# KiCad board sandevistan43_left.kicad_pcb
title: Sandevistan43; date: 2025-06-01; rev: 0.2; company: islathehut; note: Left Side
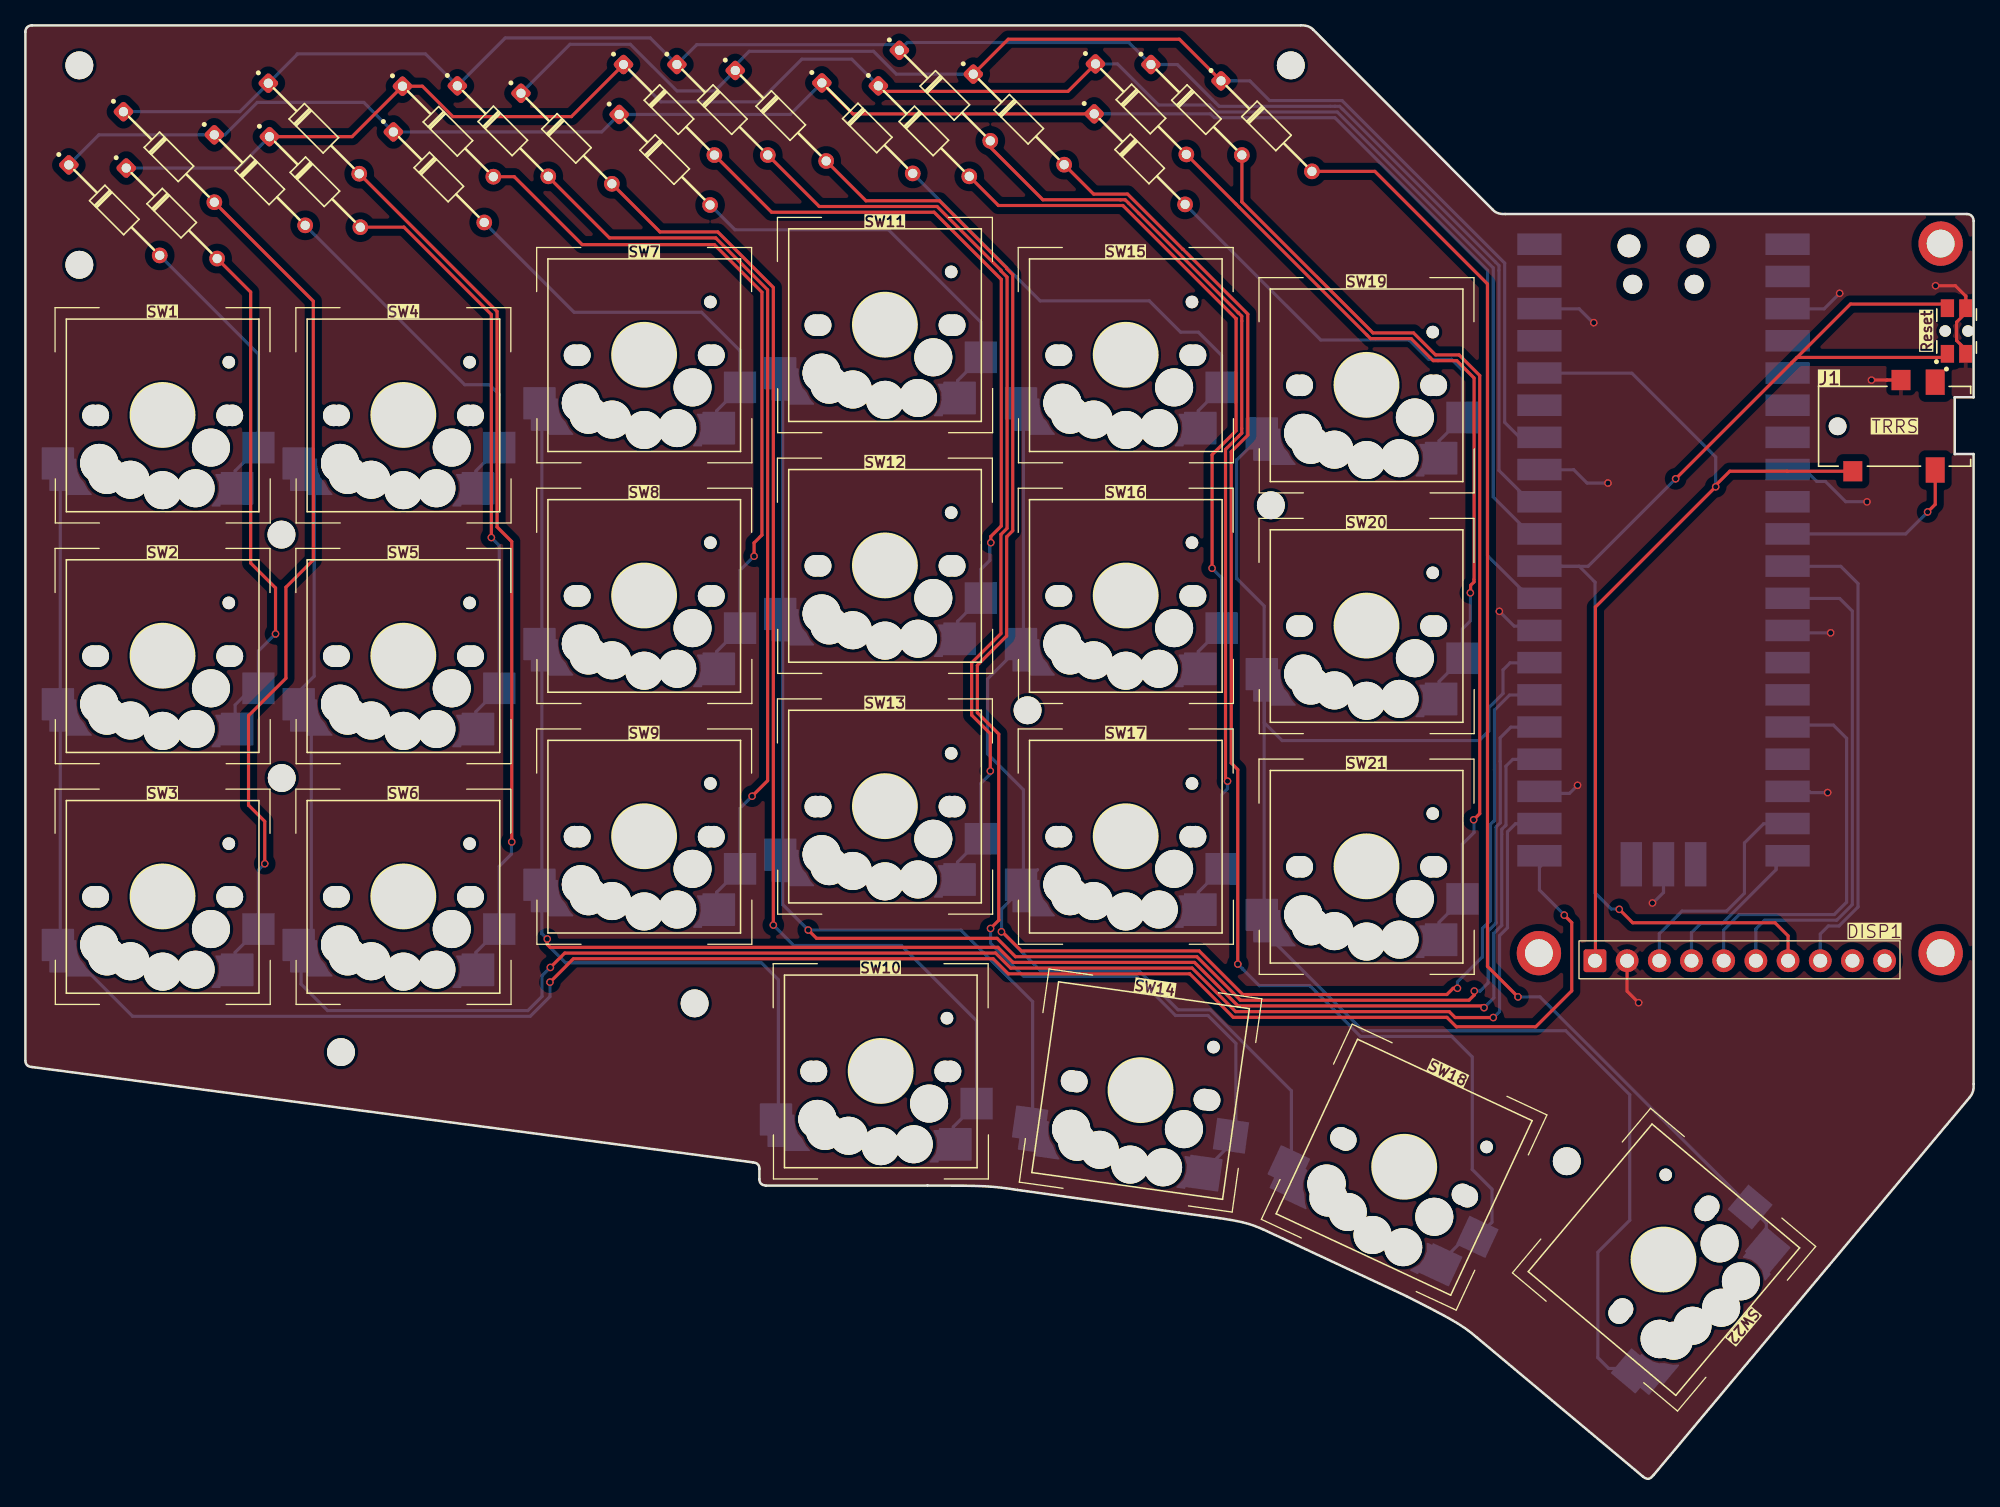
[diagram p0: board, top side]
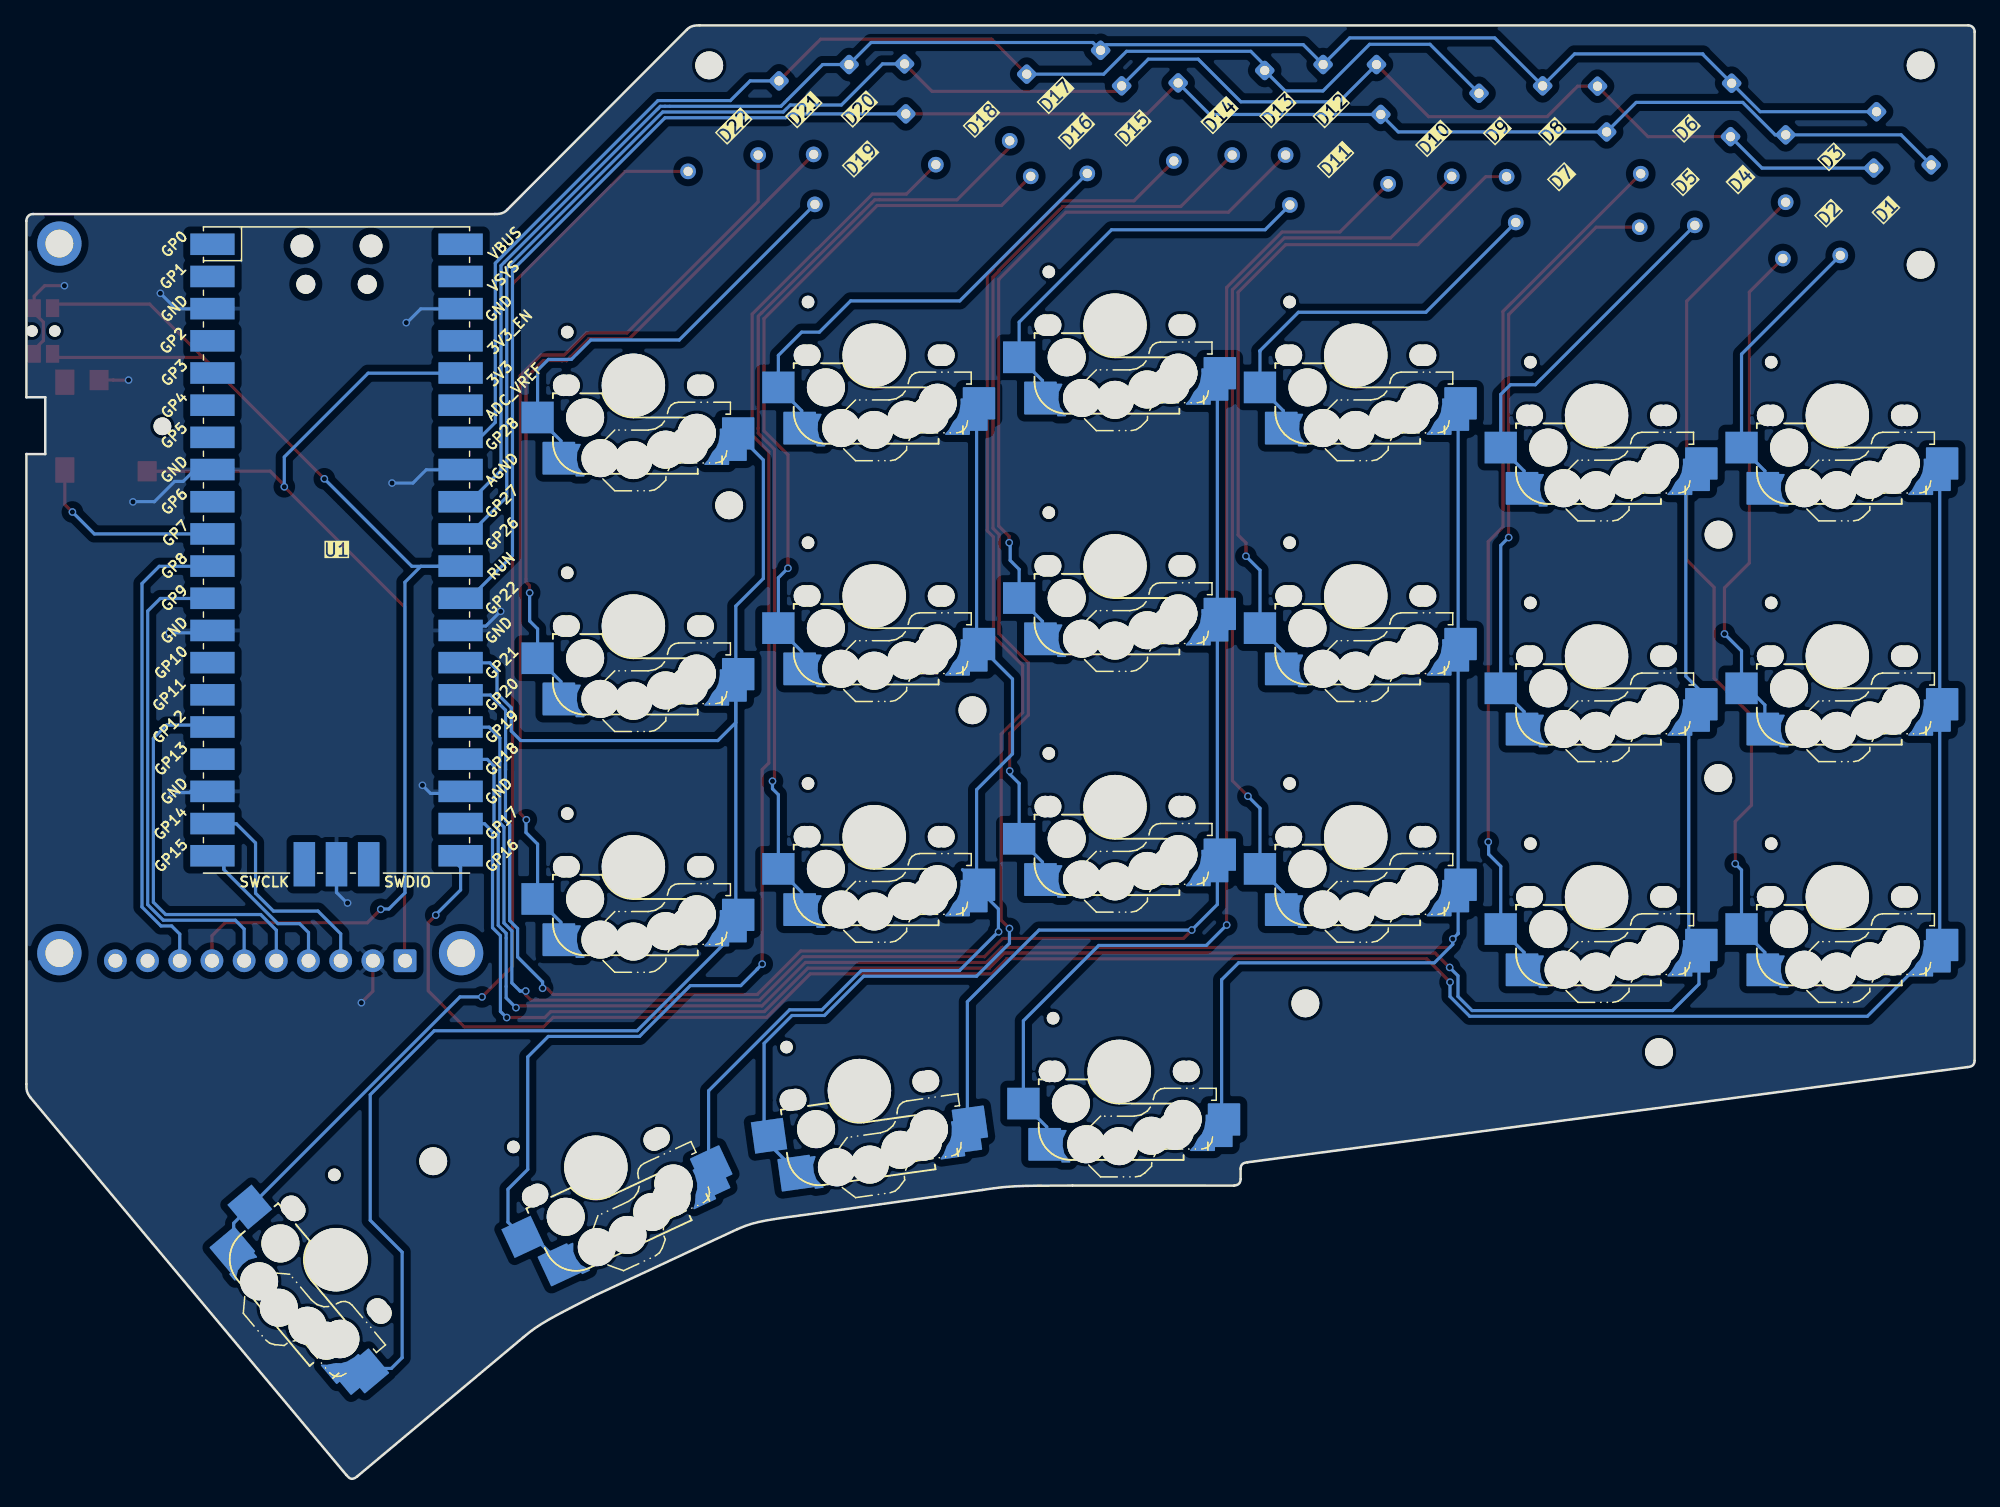
[diagram p1: board, bottom side, seen from below]

Outline 153.74 x 114.94 mm; copper layers: Top, Bottom. Coordinates in mm from the lower left corner of the outline.
Outline path: 0.01,33.23 0.01,114.43 ; 0.5,114.93 100.62,114.93 ; 57.39,25.2 0.55,32.72 ; 57.92,24.69 57.92,23.88 ; 58.43,23.37 71.19,23.37 ; 91.03,21.23 78.29,23.02 ; 108.99,14.63 97.62,19.93 ; 115.79,100.39 101.63,114.59 ; 116.78,100.05 153.2,100.04 ; 127.63,0.41 114.51,11.4 ; 153.4,30.3 128.49,0.53 ; 153.73,99.5 153.73,85.58 152.24,85.58 152.24,81.1 153.73,81.1 153.73,31.36
Stack: Top 0.035mm / dielectric 1.51mm FR4 er 4.5 / Bottom 0.035mm

## Placement (name value [footprint] x y rotation side)
D1  D  [TH 1N4148 Diode (long)]  7.02 100.37 315 top
D2  D  [TH 1N4148 Diode (long)]  11.55 100.12 315 top
D3  D  [TH 1N4148 Diode (long)]  11.33 104.56 315 top
D4  D  [TH 1N4148 Diode (long)]  18.5 102.74 315 top
D5  D  [TH 1N4148 Diode (long)]  22.85 102.59 315 top
D6  D  [TH 1N4148 Diode (long)]  22.76 106.81 315 top
D7  D  [TH 1N4148 Diode (long)]  32.63 102.97 315 top
D8  D  [TH 1N4148 Diode (long)]  33.35 106.58 315 top
D9  D  [TH 1N4148 Diode (long)]  37.68 106.61 315 top
D10  D  [TH 1N4148 Diode (long)]  42.7 106.02 315 top
D11  D  [TH 1N4148 Diode (long)]  50.45 104.35 315 top
D12  D  [TH 1N4148 Diode (long)]  50.79 108.29 315 top
D13  D  [TH 1N4148 Diode (long)]  55 108.29 315 top
D14  D  [TH 1N4148 Diode (long)]  59.61 107.82 315 top
D15  D  [TH 1N4148 Diode (long)]  66.44 106.84 315 top
D16  D  [TH 1N4148 Diode (long)]  70.9 106.61 315 top
D17  D  [TH 1N4148 Diode (long)]  72.55 109.41 315 top
D18  D  [TH 1N4148 Diode (long)]  78.39 107.53 315 top
D19  D  [TH 1N4148 Diode (long)]  87.93 104.39 315 top
D20  D  [TH 1N4148 Diode (long)]  88.03 108.34 315 top
D21  D  [TH 1N4148 Diode (long)]  92.41 108.29 315 top
D22  D  [TH 1N4148 Diode (long)]  97.93 107 315 top
DISP1  DFR0664  [DFR0664_2in_RGB_TFT_Display_3_standoff]  105.02 57.12 180 top
J1  TRRS  [CUI_SJ2-35954A-SMT-TR]  147.5 83.29 180 top
Ref**  Val**  [MountingHole_2.2mm_M2_DIN965]  98.28 77.06 0 top
Ref**#2  Val**  [MountingHole_2.2mm_M2_DIN965]  121.63 25.29 0 top
Ref**#3  Val**  [MountingHole_2.2mm_M2_DIN965]  20.23 55.53 0 top
Ref**#4  Val**  [MountingHole_2.2mm_M2_DIN965]  20.21 74.74 0 top
Ref**#5  Val**  [MountingHole_2.2mm_M2_DIN965]  4.26 96.04 0 top
Ref**#6  Val**  [MountingHole_2.2mm_M2_DIN965]  52.81 37.75 0 top
Ref**#7  Val**  [MountingHole_2.2mm_M2_DIN965]  99.85 111.78 0 top
Ref**#8  Val**  [MountingHole_2.2mm_M2_DIN965]  79.08 60.88 0 top
Ref**#9  95.5931  [MountingHole_2.2mm_M2_DIN965]  4.26 111.78 0 top
Ref**#10  Val**  [MountingHole_2.2mm_M2_DIN965]  24.91 33.9 0 top
RSW1  SW_PUSH  [SW_EVQ-P7C01P]  152.39 90.81 90 top
SW1  SW_PUSH  [Universal Switch Footprint (1u)]  10.71 84.24 0 top
SW2  SW_PUSH  [Universal Switch Footprint (1u)]  10.71 65.24 0 top
SW3  SW_PUSH  [Universal Switch Footprint (1u)]  10.71 46.24 0 top
SW4  SW_PUSH  [Universal Switch Footprint (1u)]  29.71 84.24 0 top
SW5  SW_PUSH  [Universal Switch Footprint (1u)]  29.71 65.24 0 top
SW6  SW_PUSH  [Universal Switch Footprint (1u)]  29.71 46.24 0 top
SW7  SW_PUSH  [Universal Switch Footprint (1u)]  48.71 88.99 0 top
SW8  SW_PUSH  [Universal Switch Footprint (1u)]  48.71 69.99 0 top
SW9  SW_PUSH  [Universal Switch Footprint (1u)]  48.71 50.99 0 top
SW10  SW_PUSH  [Universal Switch Footprint (1u)]  67.38 32.47 0 top
SW11  SW_PUSH  [Universal Switch Footprint (1u)]  67.71 91.37 0 top
SW12  SW_PUSH  [Universal Switch Footprint (1u)]  67.71 72.37 0 top
SW13  SW_PUSH  [Universal Switch Footprint (1u)]  67.71 53.37 0 top
SW14  SW_PUSH  [Universal Switch Footprint (1u)]  87.89 30.97 352 top
SW15  SW_PUSH  [Universal Switch Footprint (1u)]  86.71 88.99 0 top
SW16  SW_PUSH  [Universal Switch Footprint (1u)]  86.71 69.99 0 top
SW17  SW_PUSH  [Universal Switch Footprint (1u)]  86.71 50.99 0 top
SW18  SW_PUSH  [Universal Switch Footprint (1u)]  108.72 24.95 335 top
SW19  SW_PUSH  [Universal Switch Footprint (1u)]  105.71 86.62 0 top
SW20  SW_PUSH  [Universal Switch Footprint (1u)]  105.71 67.62 0 top
SW21  SW_PUSH  [Universal Switch Footprint (1u)]  105.71 48.62 0 top
SW22  SW_PUSH  [Universal Switch Footprint (1.5u)]  129.29 17.52 230 top
U1  Pico  [RPi_Pico_SMD_TH_no_through_holes]  129.26 73.53 180 bottom

## Library data of the parts
D1-D22 = -: Description: Diode; Sim.Pins: 1=K 2=A; ki_fp_filters: TO-???* *_Diode_* *SingleDiode* D_*
DISP1 = -: ki_fp_filters: Connector*:*_1x??_*
J1 = -: MF: Same Sky; MAXIMUM_PACKAGE_HEIGHT: 5 mm; Package: None; Price: None; Check_prices: https://www.snapeda.com/parts/SJ2-35954A-SMT-TR/Same+Sky/view-part/?ref=eda; STANDARD: Manufacturer Recommendations; PARTREV: 1.04; SnapEDA_Link: https://www.snapeda.com/parts/SJ2-35954A-SMT-TR/Same+Sky/view-part/?ref=snap; MP: SJ2-35954A-SMT-TR; Description_1: 3.5 mm, Stereo, Right Angle, Surface Mount (SMT), 4 Conductors, 0 Internal Switches, Audio Jack Connector; Availability: In Stock; MANUFACTURER: CUI Devices
RSW1 = -: PARTREV: 2022.4; STANDARD: Manufacturer Recommendations; SNAPEDA_PN: TL6340AF160Q; MAXIMUM_PACKAGE_HEIGHT: 1.35mm; MANUFACTURER: Panasonic Electronic Components; MF: Panasonic; Package: None; Price: None; Check_prices: https://www.snapeda.com/parts/EVQP7C01P/Panasonic/view-part/?ref=eda; SnapEDA_Link: https://www.snapeda.com/parts/EVQP7C01P/Panasonic/view-part/?ref=snap; MP: EVQP7C01P; Description_1: TACTILE SW, SPST-NO, 0.05A, 12V, SMD; Product Range:EVQP7 Series; Actuator Orientation:Side Actuated; Switch Mounting:SMD; Actuator Style:Rectangular Button; Actuating Force:220gf; Contact Rating:50mA at 12VDC; Switch Dimensions (L xRoHS Compliant: Yes; Availability: In Stock; Label: Reset

## Footprints (pads in the part's own frame, mm; a bottom-side part is the same pattern mirrored in y, then rotated)
CUI_SJ2-35954A-SMT-TR
  round 1.4 hole 1.4 unplated: (4.5,0)
  rect 1.5x2 smd: 1(-3.2,-3.48) 4(-3.2,3.45)
  rect 1.5x1.6 smd: 2(3.3,3.55) 3(-0.5,-3.65)
DFR0664_2in_RGB_TFT_Display_3_standoff
  rrect 1.8x1.8 hole 1.1: 1(-18.83,16.01)
  round 1.8 hole 1.1: 2(-21.37,16.01) 3(-23.91,16.01) 4(-26.45,16.01) 5(-28.99,16.01) 6(-31.53,16.01) 7(-34.07,16.01) 8(-36.61,16.01) 9(-39.15,16.01) 10(-41.69,16.01)
  round 3.5 hole 2.2: NPTH(-46.11,15.41) NPTH(-46.11,-40.59) NPTH(-14.41,15.41)
MountingHole_2.2mm_M2_DIN965
  round 2.2 hole 2.2 unplated: (0,0)
RPi_Pico_SMD_TH_no_through_holes
  oval 1.8x1.8 hole 1.8 unplated: (-2.725,24) (2.725,24)
  oval 1.5x1.5 hole 1.5 unplated: (-2.425,20.97) (2.425,20.97)
  rect 3.5x1.7 smd: 1(-8.89,24.13) 2(-8.89,21.59) 3(-8.89,19.05) 4(-8.89,16.51) 5(-8.89,13.97) 6(-8.89,11.43) 7(-8.89,8.89) 8(-8.89,6.35) 9(-8.89,3.81) 10(-8.89,1.27) 11(-8.89,-1.27) 12(-8.89,-3.81) 13(-8.89,-6.35) 14(-8.89,-8.89) 15(-8.89,-11.43) 16(-8.89,-13.97) 17(-8.89,-16.51) 18(-8.89,-19.05) 19(-8.89,-21.59) 20(-8.89,-24.13) 21(8.89,-24.13) 22(8.89,-21.59) 23(8.89,-19.05) 24(8.89,-16.51) 25(8.89,-13.97) 26(8.89,-11.43) 27(8.89,-8.89) 28(8.89,-6.35) 29(8.89,-3.81) 30(8.89,-1.27) 31(8.89,1.27) 32(8.89,3.81) 33(8.89,6.35) 34(8.89,8.89) 35(8.89,11.43) 36(8.89,13.97) 37(8.89,16.51) 38(8.89,19.05) 39(8.89,21.59) 40(8.89,24.13)
  rect 1.7x3.5 smd: 41(-2.54,-23.9) 42(0,-23.9) 43(2.54,-23.9)
SW_EVQ-P7C01P
  round 0.9 hole 0.9 unplated: (0,0.9) (0,-0.9)
  rect 1.4x1.05 smd: 1_1(-1.8,0.725) 1_2(1.8,0.725) 2_1(-1.8,-0.725) 2_2(1.8,-0.725)
TH 1N4148 Diode (long)
  rrect 1.238x1.238 hole 0.73: 1(-5.053,-0.02)
  round 1.238 hole 0.73: 2(5.07,0)
Universal Switch Footprint (1.5u)
  round 1.702 hole 1.702 unplated: (-5.5,0) (-5.08,0) (5.08,0) (5.5,0)
  round 0.991 hole 0.991 unplated: (-5.22,-4.2)
  round 3 hole 3 unplated: (-3.81,2.54) (-2.6,5.75) (0,5.9) (2.54,5.08) (4.4,4.7) (5,3.8) (5,3.75)
  round 5 hole 5.05 unplated: (0,0)
  custom 3.96x3.77 smd far side: 1(8.08,3.72)
  rect 2.55x2.5 smd far side: 2(-7.56,2.54)
  custom 3.32x2.74 smd far side: 2(-5.72,5.75)
Universal Switch Footprint (1u)
  round 1.702 hole 1.702 unplated: (-5.375,-0.09) (-4.955,-0.09) (5.205,-0.09) (5.625,-0.09)
  round 3 hole 3 unplated: (-4.875,-3.84) (-4.875,-3.89) (-4.275,-4.79) (-2.415,-5.17) (0.125,-5.99) (2.725,-5.84) (3.935,-2.63)
  round 5 hole 5.05 unplated: (0.125,-0.09)
  round 0.991 hole 0.991 unplated: (5.345,4.11)
  custom 3.96x3.77 smd far side: 1(-7.955,-3.81)
  custom 3.32x2.74 smd far side: 2(5.845,-5.84)
  rect 2.55x2.5 smd far side: 2(7.685,-2.63)

## Nets
GND: DISP1.2 J1.3 RSW1.2_1 RSW1.2_2 U1.3 U1.8 U1.13 U1.18 U1.23 U1.28 U1.33 U1.38 U1.42
VCC: DISP1.1 J1.2 U1.36
col0: SW1.1 SW2.1 SW3.1 U1.21
col1: SW4.1 SW5.1 SW6.1 U1.22
col2: SW7.1 SW8.1 SW9.1 SW10.1 U1.24
col3: SW11.1 SW12.1 SW13.1 SW14.1 U1.25
col4: SW15.1 SW16.1 SW17.1 SW18.1 U1.26
col5: SW19.1 SW20.1 SW21.1 SW22.1 U1.27
D_C: DISP1.8 U1.11
data: J1.4 U1.10
MISO: DISP1.5 U1.16
MOSI: DISP1.4 U1.20
reset: DISP1.7 RSW1.1_1 RSW1.1_2 U1.30
row0: D1.1 D4.1 D7.1 D11.1 D15.1 D19.1 U1.29
row1: D2.1 D5.1 D8.1 D12.1 D16.1 D20.1 U1.31
row2: D3.1 D6.1 D9.1 D13.1 D17.1 D21.1 U1.32
row3: D10.1 D14.1 D18.1 D22.1 U1.34
SCLK: DISP1.3 U1.19
SPI_CS: DISP1.6 U1.12
Net-(D1-A): D1.2 SW1.2
Net-(D2-A): D2.2 SW2.2
Net-(D3-A): D3.2 SW3.2
Net-(D4-A): D4.2 SW4.2
Net-(D5-A): D5.2 SW5.2
Net-(D6-A): D6.2 SW6.2
Net-(D7-A): D7.2 SW7.2
Net-(D8-A): D8.2 SW8.2
Net-(D9-A): D9.2 SW9.2
Net-(D10-A): D10.2 SW10.2
Net-(D11-A): D11.2 SW11.2
Net-(D12-A): D12.2 SW12.2
Net-(D13-A): D13.2 SW13.2
Net-(D14-A): D14.2 SW14.2
Net-(D15-A): D15.2 SW15.2
Net-(D16-A): D16.2 SW16.2
Net-(D17-A): D17.2 SW17.2
Net-(D18-A): D18.2 SW18.2
Net-(D19-A): D19.2 SW19.2
Net-(D20-A): D20.2 SW20.2
Net-(D21-A): D21.2 SW21.2
Net-(D22-A): D22.2 SW22.2

Pads without a net: DISP1 9 10 NPTH; J1 1; U1 1 2 4 5 6 7 9 14 15 17 35 37 39 40 41 43

## Via types
v1: diameter 0.6, hole 0.4, Top to Bottom, 42 vias

## Routing (per net, layer and track width the routed paths; a pad name or vN(x,y) marks a point on that pad's centre or on a via; arc(x,y) is an arc through that point)
GND: length 56.4
  Top w0.25: J1.3 146.88,86.94 146.87,86.94 v1(145.67,86.94) ; v1(150.73,94.39) 152.29,94.39 153.12,93.56 RSW1.2_2 153.12,92.24 152.39,91.52 152.39,90.06 153.12,89.34 RSW1.2_1 ; v1(127.3,37.8) 126.39,38.71 DISP1.2
  Bottom w0.25: 120.38,92.56 122.61,92.56 123.7,91.47 v1(123.76,91.47) ; v1(145.32,77.33) 145.31,77.34 143.63,77.34 142.03,78.94 141.36,78.94 140.4,79.9 138.19,79.9 138.16,79.86 ; 120.38,67.16 120.02,67.52 117.48,67.52 v1(116.31,68.69) ; v1(142.45,66.99) 138.32,66.99 138.16,67.16 ; v1(128.39,45.67) 128.43,45.67 129.26,46.5 U1.42 ; 138.16,54.46 140.77,54.46 140.85,54.38 v1(142.22,54.38) ; v1(124.88,78.81) 123.23,78.81 122.18,79.86 120.38,79.86 ; 120.38,54.46 120.52,54.32 121.84,54.32 v1(122.48,54.96) ; v1(143.16,93.79) 141.94,92.56 138.16,92.56
VCC: length 70.9
  Top w0.25: J1.2 139.02,79.74 139.01,79.75 134.49,79.75 133.38,78.64 v1(133.38,78.52) 123.89,69.03 123.89,41.15 DISP1.1
  Bottom w0.25: v1(133.38,78.52) 133.38,80.87 126.77,87.48 120.38,87.48
col0: length 177.7
  Top w0.25: v1(121.43,44.71) 122.02,44.12 122.02,38.74 119.18,35.9 112.91,35.9 112.17,36.65 95.32,36.65 91.88,40.08 77.56,40.08 76.37,41.27 43.25,41.27 v1(41.4,39.42)
  Bottom w0.25: v1(121.43,44.71) 121.43,44.74 119.47,46.7 119.47,48.48 120.38,49.38 ; SW1.1 SW2.1 SW3.1 8.46,36.73 39.84,36.73 41.4,38.28 v1(41.4,39.42)
col1: length 160.3
  Top w0.25: v1(41.43,40.59) 42.56,41.72 76.56,41.72 77.75,40.53 92.07,40.53 95.5,37.1 112.36,37.1 112.82,36.63 v1(115.83,36.63)
  Bottom w0.25: 120.38,51.92 117.58,51.92 116.95,51.3 116.95,43.72 116.33,43.09 116.33,37.11 115.85,36.63 v1(115.83,36.63) ; v1(41.43,40.59) 40.77,39.93 40.77,38.3 39.65,37.18 23.84,37.18 21.75,39.27 SW6.1 22.56,43.24 22.56,60.63 SW5.1 ; 21.75,62.53 22.79,63.57 22.79,79.4 SW4.1
col2: length 173.3
  Top w0.25: v1(41.18,42.83) 41.18,42.4 41.41,42.17 76.75,42.17 77.94,40.98 92.25,40.98 95.69,37.55 114.96,37.55 v1(115.1,37.41)
  Bottom w0.25: SW10.1 59.42,39.61 58.08,40.95 42.63,40.95 41.18,42.4 v1(41.18,42.83) 40.76,43.25 40.76,43.27 40.75,43.28 SW9.1 SW8.1 SW7.1 ; 120.38,57 117.37,57 116.83,56.47 116.83,51.81 116.5,51.48 116.5,43.9 115.88,43.28 115.88,38.19 v1(115.1,37.41)
col3: length 155.3
  Top w0.25: v1(114.33,38.72) 114.33,38.41 113.92,38 95.88,38 92.44,41.43 78.12,41.43 76.67,42.88 62.43,42.88 v1(61.78,43.53)
  Bottom w0.25: SW14.1 79.48,37.88 73.83,43.53 61.78,43.53 v1(61.78,43.53) ; v1(114.33,38.72) 114.78,38.72 115.43,39.36 115.43,43.47 116.05,44.09 116.05,51.67 116.38,52 116.38,56.85 116.37,56.86 116.37,58.7 117.22,59.54 120.38,59.54 ; SW11.1 SW12.1 SW13.1 59.75,45.56 v1(61.78,43.53) ; v1(61.78,43.53) 61.86,43.53
col4: length 148.9
  Top w0.25: v1(113,38.94) 112.66,38.94 112.17,38.45 96.06,38.45 92.63,41.88 78.6,41.88 77.08,43.4 v1(77.02,43.4)
  Bottom w0.25: SW15.1 SW16.1 ; SW16.1 79.87,65.07 ; SW16.1 75.92,63.35 75.92,57.44 78.75,54.61 SW17.1 ; 120.38,62.08 117.12,62.08 115.92,60.89 115.92,56.19 115.93,56.18 ; v1(113,38.94) 113,39.44 114.97,41.41 114.97,43.65 115.6,44.28 115.6,51.86 115.93,52.19 115.93,56.66 ; SW18.1 99.9,30.85 93.51,37.24 90.95,37.24 87.85,40.34 80.1,40.34 77.04,43.4 v1(77.02,43.4) 77.03,43.41 77.03,45.2 78.75,46.92 SW17.1 ; 79.87,48.3 SW17.1
col5: length 132.2
  Bottom w0.25: 120.38,64.62 117.16,64.62 116.6,64.07 116.6,62.21 115.47,61.08 115.47,59.24 114.72,58.49 99.17,58.49 97.75,59.91 SW20.1 ; SW20.1 SW21.1 97.75,43.38 105.54,35.59 121.55,35.59 126.6,30.54 126.6,20.63 124.08,18.11 124.08,9.79 124.93,8.94 SW22.1 ; SW20.1 97.75,69.11 95.58,71.28 95.58,80.64 SW19.1
D_C: length 38.5
  Bottom w0.25: 138.16,72.24 143.25,72.24 144.61,70.88 144.61,45.36 143.11,43.86 142.27,43.86 141.63,43.22 DISP1.8
data: length 16.3
  Top w0.25: J1.4 150.7,77.13 v1(150.1,76.53) 150.03,76.6
  Bottom w0.25: v1(150.1,76.53) 148.37,74.8 U1.10
MISO: length 32
  Bottom w0.25: 138.16,59.54 138.32,59.71 142.67,59.71 143.71,58.67 143.71,45.73 142.74,44.76 135.24,44.76 134.01,43.53 DISP1.5
MOSI: length 13
  Bottom w0.25: DISP1.4 131.47,43.34 132.17,44.04 133.88,44.04 138.15,48.31 U1.20 ; 138.16,49.38 138.16,48.41
reset: length 98.9
  Top w0.25: v1(125.77,45.17) 126.83,44.11 138.06,44.11 139.09,43.08 DISP1.7 ; 139.35,88.28 139.8,88.73 151.38,88.73 RSW1.1_1 ; 139.35,88.28 144.01,92.94 151.34,92.94 RSW1.1_2 ; 139.35,88.28 v1(130.22,79.15)
  Bottom w0.25: 121.24,72.24 123.32,72.24 v1(130.22,79.15) ; 121.24,72.24 120.38,72.24 ; 121.24,72.24 122.61,72.24 123.86,70.99 123.86,46.47 125.13,45.2 125.74,45.2 v1(125.77,45.17)
row0: length 151.6
  Top w0.25: D19.1 65.29,107.95 D15.1
  Bottom w0.25: D15.1 60.36,107.91 D11.1 45.48,106.53 D7.1 26.71,108.86 18.3,108.86 15.74,106.3 D4.1 5.8,106.3 D1.1 ; 120.38,69.7 118.76,69.7 115.38,73.09 115.38,95.61 103.34,107.65 93.82,107.65 93.52,107.95 D19.1
row1: length 148.3
  Top w0.25: D5.1 25.78,106.15 D8.1 31.33,110.14 33.73,107.73 43.09,107.73 D12.1 ; D16.1 67.75,109.73 82.27,109.73 D20.1
  Bottom w0.25: D12.1 50.14,108.9 57.9,108.9 61.27,112.27 65.21,112.27 D16.1 ; 120.38,74.78 118.76,74.78 115.83,77.72 115.83,95.79 103.52,108.1 94.01,108.1 93.45,108.65 89.42,108.65 86.18,111.9 D20.1 ; D5.1 16.78,103.67 D2.1
row2: length 143.6
  Bottom w0.25: D3.1 16.93,108.12 D6.1 21.45,112.65 21.45,112.68 31.57,112.68 D9.1 37.87,113.94 49.31,113.94 D13.1 52.98,113.41 68.52,113.41 D17.1 69.58,113.58 87.08,113.58 D21.1 90.9,111.85 94.19,108.55 103.71,108.55 116.28,95.98 116.28,79.81 118.76,77.32 120.38,77.32
row3: length 107.8
  Top w0.25: D22.1 91.06,113.84 77.56,113.84 D18.1
  Bottom w0.25: D14.1 54.41,109.76 51.42,109.76 47.74,113.44 42.97,113.44 D10.1 ; D18.1 68.73,111.09 66.92,112.89 57.12,112.89 56.02,111.79 ; 120.38,82.4 117.93,82.4 116.73,83.6 116.73,96.17 103.9,109 98.18,109 96.62,110.56 D22.1
SCLK: length 17.3
  Bottom w0.25: DISP1.3 128.93,43.24 130.72,45.03 134.24,45.03 135.65,46.45 135.65,50.41 137.17,51.92 138.16,51.92
SPI_CS: length 40.5
  Bottom w0.25: 138.16,69.7 143.17,69.7 144.16,68.71 144.16,45.55 142.93,44.31 137.24,44.31 136.55,43.62 DISP1.6
Net-(D1-A): length 22.4
  Bottom w0.25: D1.2 18.4,88.99 SW1.2 16.56,79.77 SW1.2
Net-(D2-A): length 40.7
  Top w0.25: v1(19.74,66.91) 19.74,70.54 17.78,72.5 17.78,93.88 D2.2
  Bottom w0.25: v1(19.74,66.91) 18.4,65.56 SW2.2 17.87,62.61 16.56,61.3 SW2.2
Net-(D3-A): length 67.4
  Top w0.25: v1(18.89,48.77) 18.89,52.11 17.61,53.39 17.61,60.46 20.56,63.41 20.56,70.59 22.72,72.75 22.72,93.17 D3.2
  Bottom w0.25: v1(18.89,48.77) 18.4,48.27 SW3.2 16.56,41.77 SW3.2
Net-(D4-A): length 29
  Bottom w0.25: SW4.2 35.56,79.77 SW4.2 37.4,85.81 36.63,86.57 34.66,86.57 D4.2
Net-(D5-A): length 47.1
  Top w0.25: D5.2 29.87,99.01 36.77,92.11 v1(36.77,74.51)
  Bottom w0.25: SW5.2 35.56,60.77 SW5.2 37.4,73.89 v1(36.77,74.51) 36.77,74.37
Net-(D6-A): length 69
  Top w0.25: v1(38.38,50.49) 38.38,74.19 37.22,75.35 37.22,92.35 D6.2
  Bottom w0.25: v1(38.38,50.49) 38.35,50.46 38.35,49.53 37.4,48.57 SW6.2 35.56,41.77 SW6.2
Net-(D7-A): length 31.3
  Bottom w0.25: SW7.2 54.56,84.52 SW7.2 56.4,89.23 56.41,89.24 53.36,92.29 43.3,92.29 D7.2
Net-(D8-A): length 56.2
  Top w0.25: v1(57.5,73.04) 57.5,74.1 58.12,74.71 58.12,93.88 54.37,97.63 43.94,97.63 38.58,102.99 D8.2
  Bottom w0.25: SW8.2 54.56,65.52 SW8.2 56.39,67.37 56.39,71.93 v1(57.5,73.04)
Net-(D9-A): length 71.6
  Top w0.25: D9.2 41.26,102.99 46.09,98.16 54.47,98.16 58.57,94.06 58.57,55.32 v1(57.34,54.1)
  Bottom w0.25: v1(57.34,54.1) 56.4,53.15 SW9.2 54.56,46.52 SW9.2
Net-(D10-A): length 96.1
  Top w0.25: D10.2 50.08,98.63 54.64,98.63 59.02,94.25 v1(59.02,43.93)
  Bottom w0.25: SW10.2 73.22,28 SW10.2 75.06,36.37 69.11,42.32 60.63,42.32 v1(59.02,43.93)
Net-(D11-A): length 31.9
  Bottom w0.25: SW11.2 73.56,86.9 SW11.2 75.4,91.51 68.1,98.8 55.99,98.8 D11.2
Net-(D12-A): length 56.6
  Top w0.25: v1(76.18,74.11) 76.18,74.6 77.01,75.43 77.01,94.88 71.71,100.19 58.88,100.19 D12.2
  Bottom w0.25: SW12.2 73.56,67.9 SW12.2 75.4,72 76.11,72.71 76.11,74.19 v1(76.18,74.11)
Net-(D13-A): length 73.3
  Top w0.25: D13.2 62.65,100.64 71.94,100.64 76.98,95.6 76.98,95.55 77.46,95.07 77.46,75.24 76.98,74.76 76.98,66.94 74.67,64.62 74.67,60.5 76.14,59.03 v1(76.14,56.09)
  Bottom w0.25: SW13.2 73.56,48.9 SW13.2 75.4,55.11 76.14,55.85 v1(76.14,56.09)
Net-(D14-A): length 107.3
  Top w0.25: D14.2 66.33,101.09 72.13,101.09 77.43,95.79 77.43,95.74 77.91,95.26 77.91,75.05 77.43,74.57 77.43,66.75 75.12,64.44 75.12,60.69 76.81,59 76.81,44.31 v1(76.16,43.66)
  Bottom w0.25: SW14.2 95.13,26.65 SW14.2 95.52,27.69 95.52,34.59 93.32,36.79 90.76,36.79 87.66,39.89 78.76,39.89 76.16,42.49 v1(76.16,43.66)
Net-(D15-A): length 36.8
  Bottom w0.25: SW15.2 92.56,84.52 SW15.2 94.4,88.89 92.56,90.72 91.16,90.72 88.69,93.19 80.08,93.19 D15.2
Net-(D16-A): length 55.2
  Top w0.25: D16.2 76.78,100.72 86.6,100.72 95.53,91.8 95.53,91.8 95.53,82.94 93.64,81.05 v1(93.64,72.09) 93.64,72.13
  Bottom w0.25: SW16.2 92.56,65.52 SW16.2 94.4,71.34 v1(93.64,72.09)
Net-(D17-A): length 74.3
  Top w0.25: v1(94.86,55.28) 94.7,55.44 94.7,81.47 95.98,82.75 95.98,91.99 95.72,92.25 95.71,92.25 86.79,101.17 80.29,101.17 76.14,105.32 D17.2
  Bottom w0.25: v1(94.86,55.28) 94.86,54.68 94.4,54.22 SW17.2 92.56,46.52 SW17.2
Net-(D18-A): length 112.2
  Top w0.25: D18.2 84.29,101.62 86.97,101.62 91.34,97.26 91.35,97.26 96.46,92.15 96.46,82.59 95.15,81.28 95.15,56.72 95.67,56.2 v1(95.67,40.85)
  Bottom w0.25: v1(95.67,40.85) 96.06,40.46 96.06,40.45 97.36,39.15 101.34,39.15 105.35,35.14 112.55,35.14 114.17,33.52 114.17,24.64 115.73,23.08 115.73,20.48 SW18.2 113.68,19.32 SW18.2
Net-(D19-A): length 35
  Bottom w0.25: SW19.2 111.56,82.15 SW19.2 113.4,87.72 112.54,88.57 110.73,88.57 109.2,90.1 102.22,90.1 D19.2
Net-(D20-A): length 56.5
  Top w0.25: v1(114.02,70.15) 114.04,70.17 114.04,70.74 114.31,71.01 114.31,87.11 112.95,88.47 111.09,88.47 109.35,90.21 106.15,90.21 D20.2
  Bottom w0.25: SW20.2 111.56,63.15 SW20.2 113.4,67.3 114.02,67.93 v1(114.02,70.15)
Net-(D21-A): length 74
  Top w0.25: D21.2 95.99,101.01 106.34,90.67 109.54,90.67 111.28,88.93 113.14,88.93 114.76,87.3 114.76,52.72 v1(114.28,52.24)
  Bottom w0.25: SW21.2 111.56,44.15 SW21.2 113.4,50.32 114.31,51.24 114.31,52.21 v1(114.28,52.24)
Net-(D22-A): length 104
  Top w0.25: D22.2 106.49,103.41 115.37,94.53 115.37,40.67 v1(117.78,38.26)
  Bottom w0.25: SW22.2 137.38,20.4 SW22.2 119.52,38.26 v1(117.78,38.26)

## Copper pours and planes (outline as drawn; the poured copper is in the pictures)
GND on Top: -15.47,123.33 169.72,123.33 184.37,-0.09 153.37,-12.96 -13.13,3.24 -15.78,5.89 -15.78,123.02
GND on Bottom: -15.47,122.4 167.4,122.4 174.78,-3.85 148.34,-11.53 -13.13,2.31 -15.78,4.96 -15.78,122.09
